# Altium PCB Gateway_V2.0_Final_PCB.PcbDoc
Units mm, origin at the board's own origin, x right, y up, seen from the top; angles counter-clockwise.
Board outline 99.82 x 98.3 mm, 2 copper layers (Top Layer, Bottom Layer); 73 components, 101 nets, 327 pads, 45 vias.
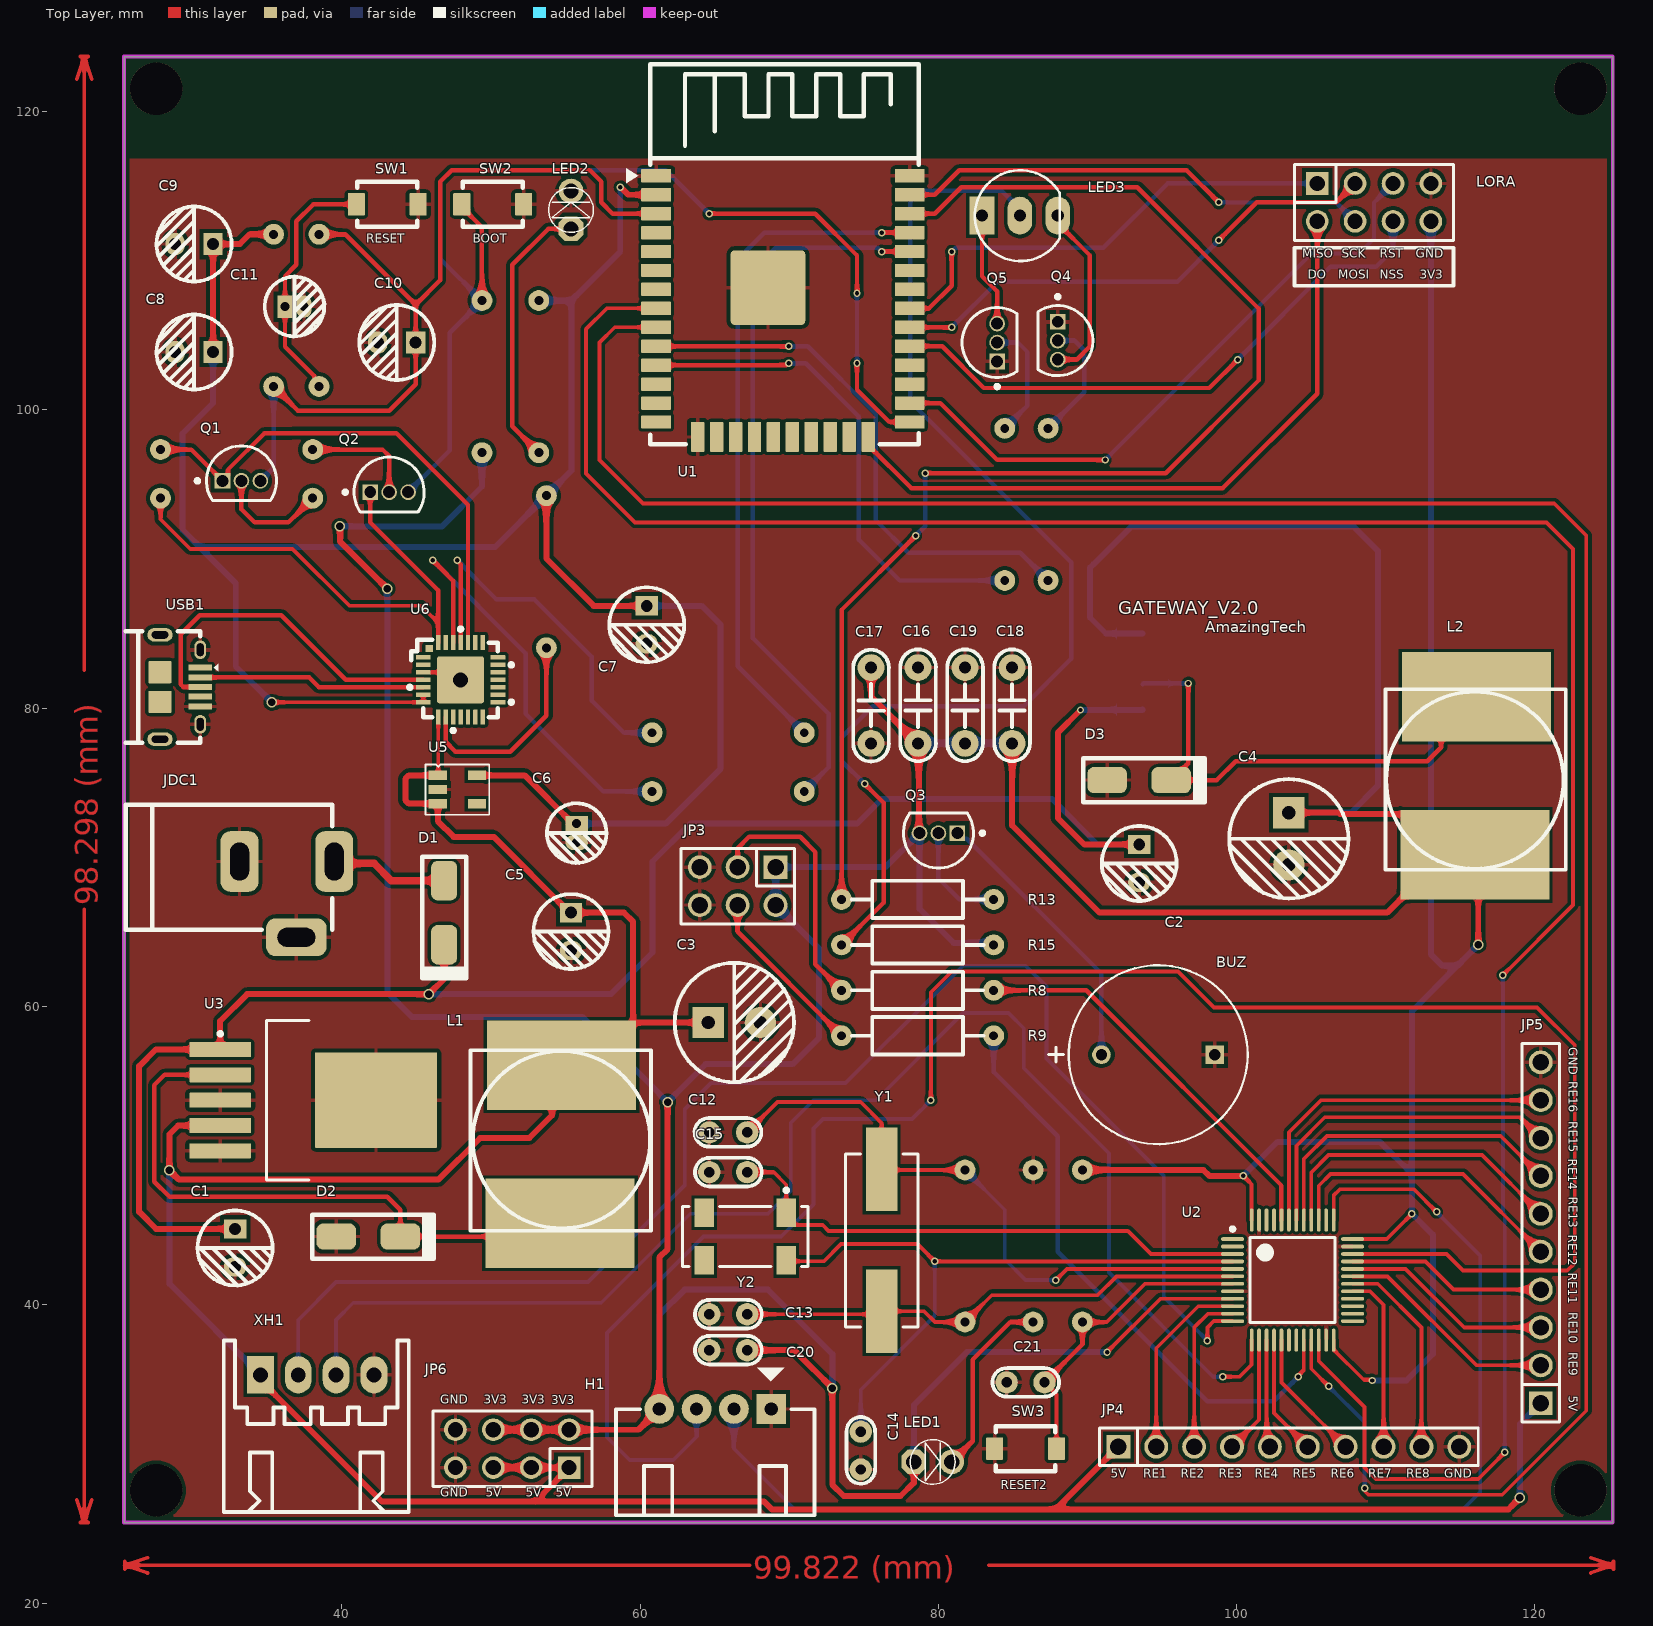
[diagram p0: Top Layer view]
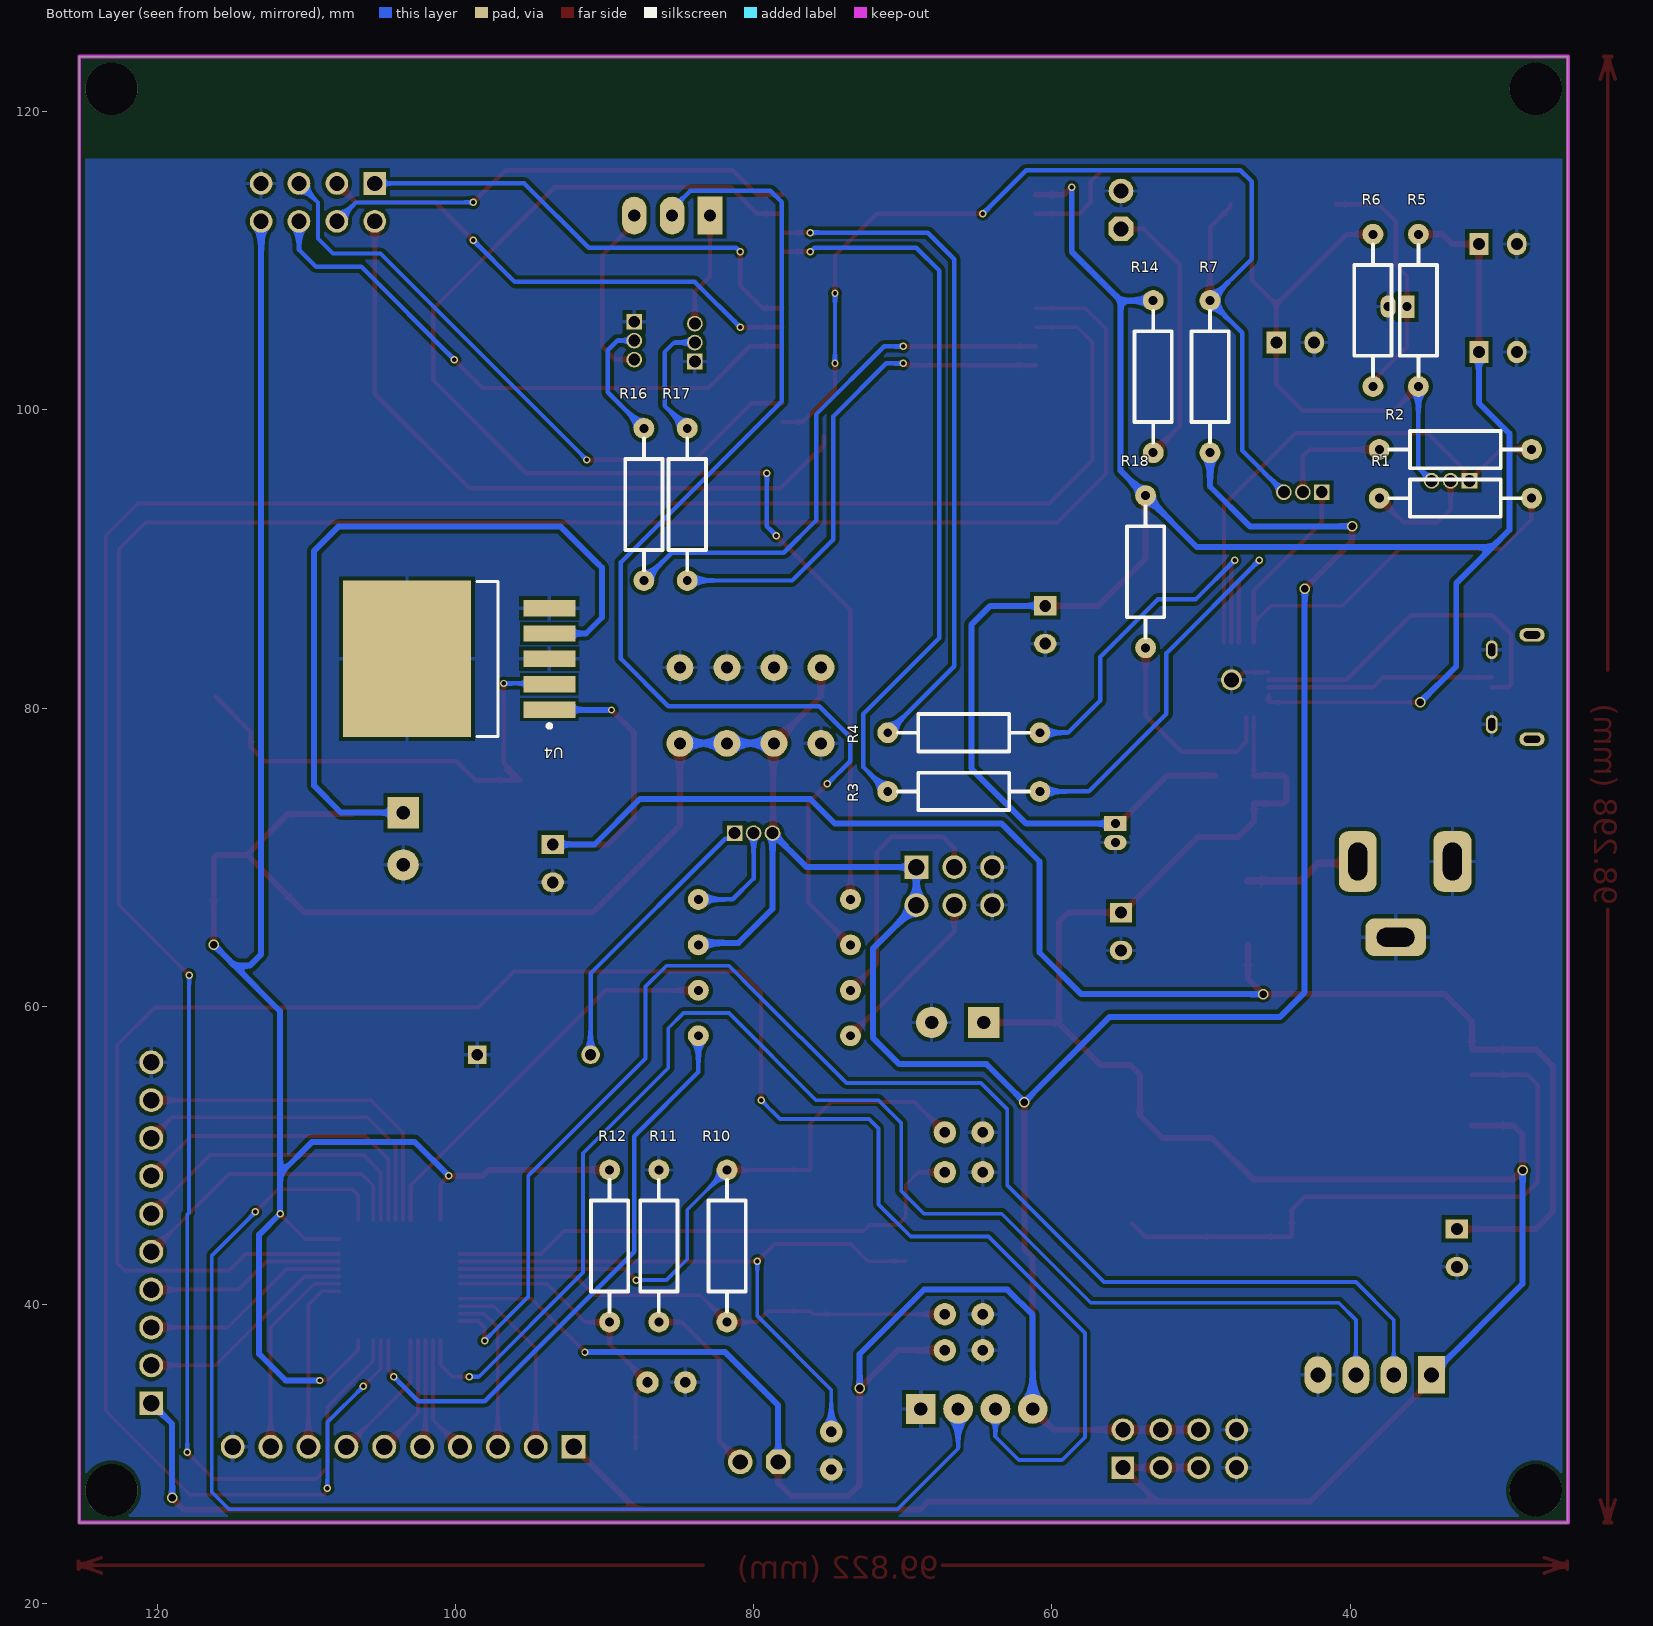
[diagram p1: Bottom Layer view, seen from below]
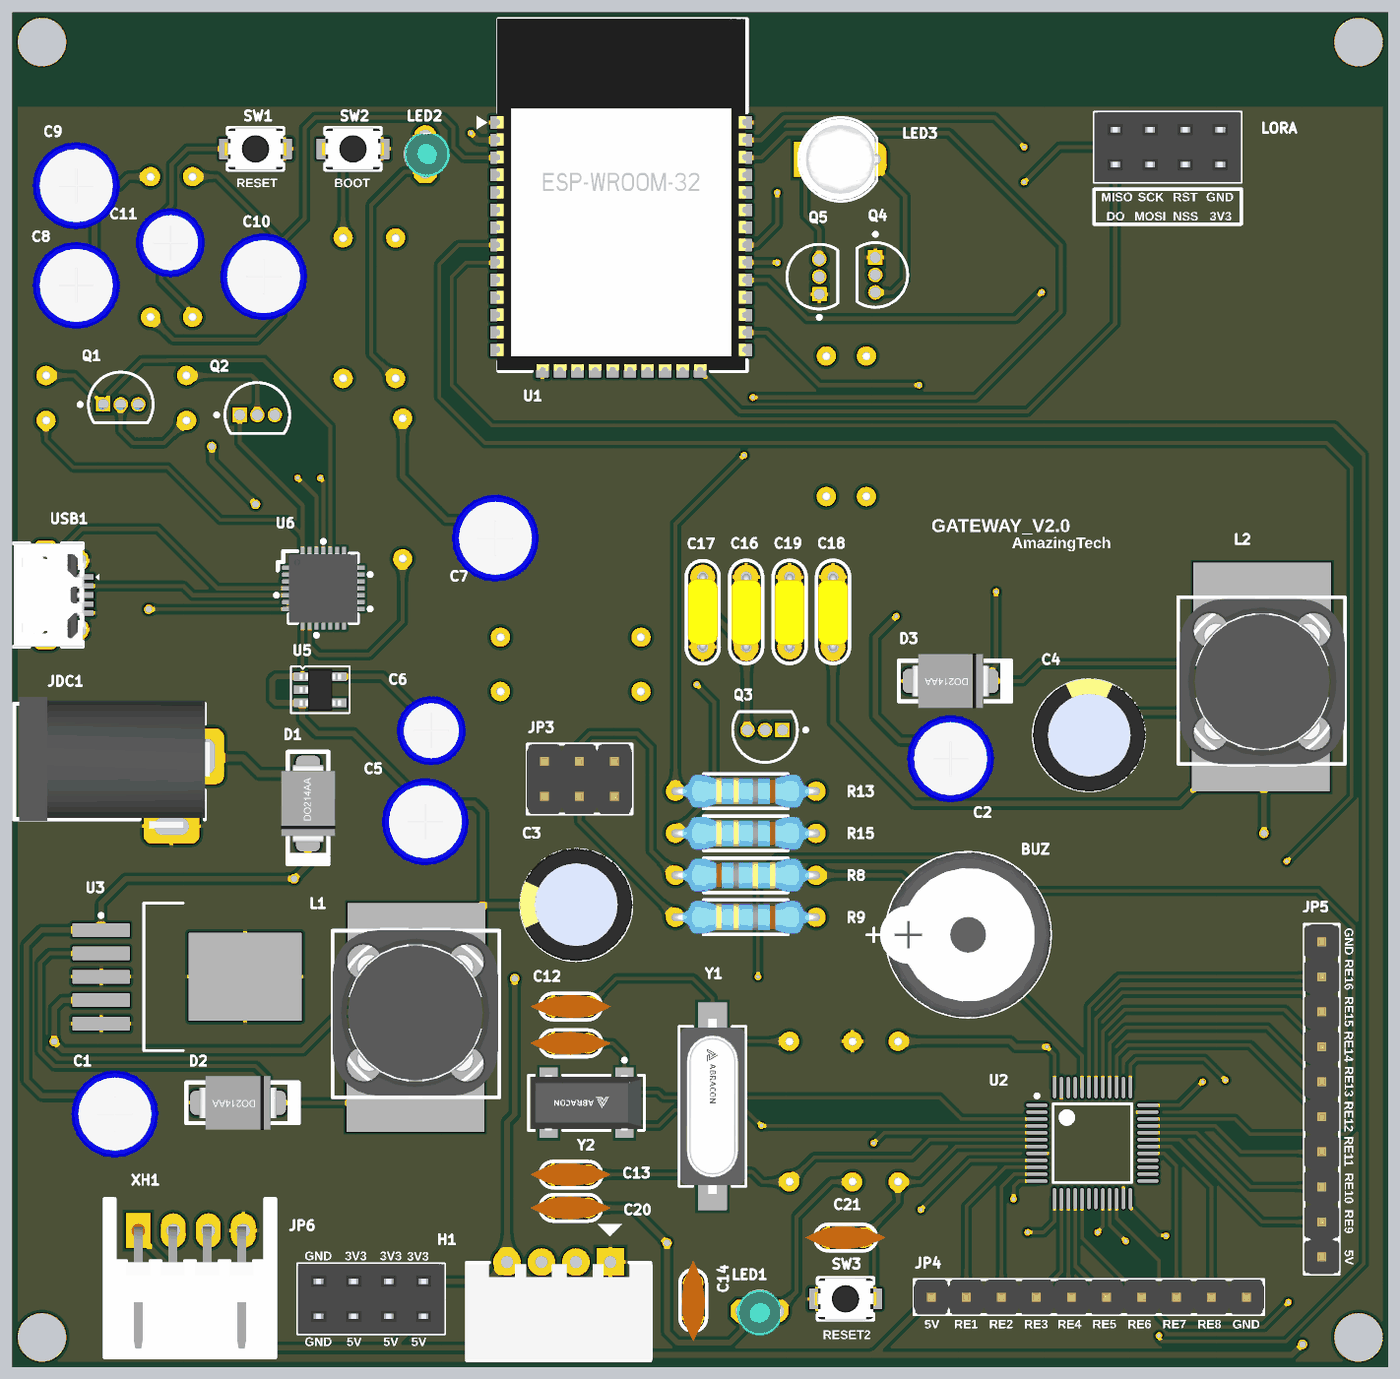
[diagram p2: 3D render of the assembled board from above, using the file's embedded part models]
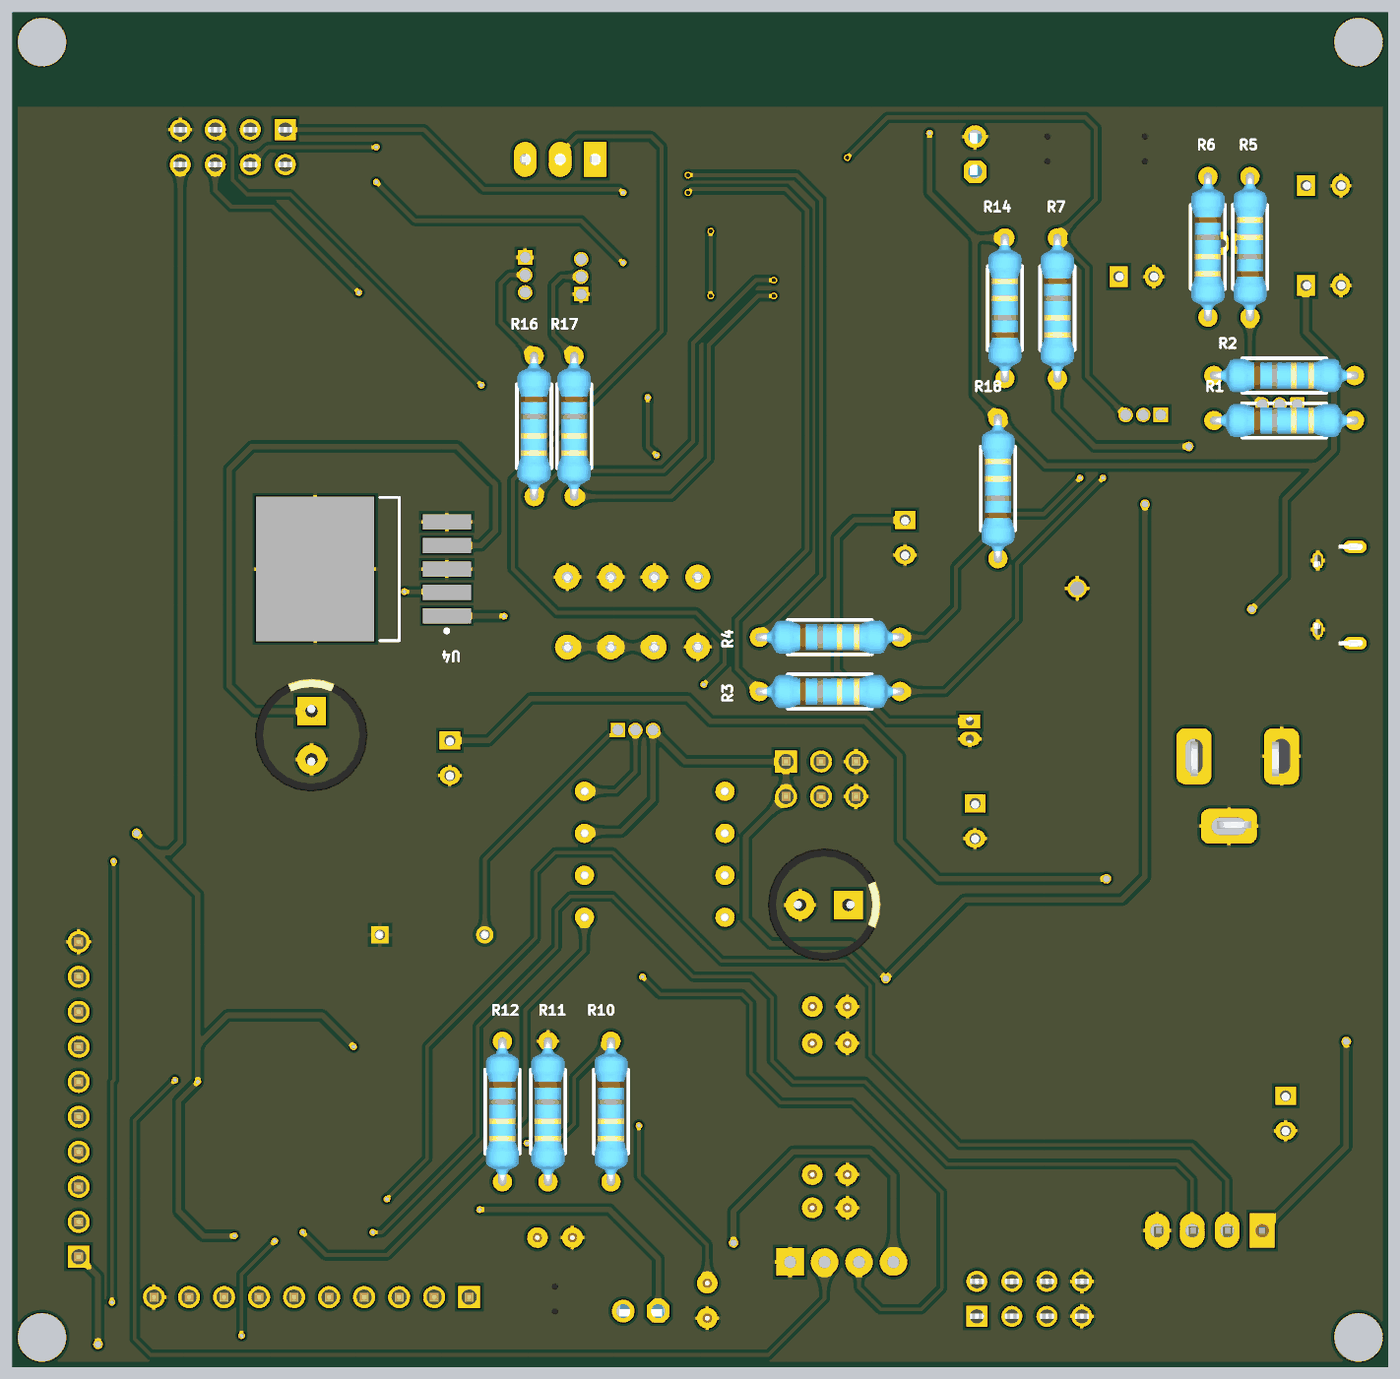
[diagram p3: 3D render of the assembled board from below, using the file's embedded part models]

## Layer stack, top to bottom
Top Solder: solder mask 0.0102, Solder Resist, Dk 3.5
Top Layer: signal copper 0.0356
Dielectric 1: dielectric 0.32, FR-4, Dk 4.8
Bottom Layer: signal copper 0.0356
Bottom Solder: solder mask 0.0102, Solder Resist, Dk 3.5

## Board outline
25.4,25.4 25.4,123.698 125.222,123.698 125.222,25.4

## Design rules (kind name [scope] priority, off if disabled: settings)
Clearance Clearance_1 [All] p1: gap=0.254 ignorepadtopadclearanceinfootprint=TRUE except(0.2: Arc-Arc Arc-Track Arc-SMDPad Arc-Hole Track-Track Track-SMDPad SMDPad-SMDPad SMDPad-THPad SMDPad-Via SMDPad-Fill SMDPad-Poly SMDPad-Region SMDPad-Text SMDPad-Hole Via-Via Via-Fill Via-Poly Via-Region Via-Text Via-Hole Region-Region Region-Text Region-Hole)
Clearance [All] p2: gap=0.254 ignorepadtopadclearanceinfootprint=FALSE except(0.2: Arc-Arc Arc-Track Arc-SMDPad Track-Track Track-SMDPad SMDPad-SMDPad SMDPad-THPad SMDPad-Via SMDPad-Fill SMDPad-Poly SMDPad-Region SMDPad-Text SMDPad-Hole)
PolygonConnect [All] p1: connectstyle=Relief reliefconductorwidth=0.254 reliefentries=4 polygonreliefangle="90 Angle" airgapwidth=0.254
RoutingVias [All] p1: holewidth=0.711 width=1.27 viastyle="Through Hole" minholewidth=0.711 minwidth=1.27 maxholewidth=0.711 maxwidth=1.27
SolderMaskExpansion [All] p1: expansion=0.102 istentingtop=FALSE
SupplyNets "Schematic Supply Nets_5" [InNet('5V')] p1: voltage=0.000
SupplyNets "Schematic Supply Nets_4" [InNet('VIN')] p2: voltage=0.000
SupplyNets "Schematic Supply Nets_3" [InNet('3V3')] p3: voltage=0.000
SupplyNets "Schematic Supply Nets_2" [InNet('3.3V_ESP')] p4: voltage=0.000
SupplyNets "Schematic Supply Nets_1" [InNet('VCCUSB')] p5: voltage=0.000
SupplyNets "Schematic Supply Nets" [InNet('GND')] p6: voltage=0.000
Width STM [InNetClass('STM')] p1: maxlimit=0.254 minlimit=0.254 preferedwidth=0.254
Width POWER [InNetClass('POWER')] p2: maxlimit=0.4 minlimit=0.254 preferedwidth=0.4 minimp=50.000000 maximp=50.000000 favimp=50.000000
Width SIGNAL [InNetClass('SIGNAL')] p3: maxlimit=0.4 minlimit=0.3 preferedwidth=0.3 minimp=50.000000 maximp=50.000000 favimp=50.000000
30 further rules are at their usual default settings.

## Components (designator, comment, footprint, x,y, rotation, side; value= is the part's Value field where it differs from the comment)
BUZ "Buzzer 12095" FP-MCKPX-G1203A-K4056-MFG 94.742,56.769 r180 top
C1 "100uF" "tu hoa 5mm" 32.849,43.815 r270 top
C2 "100uF" "tu hoa 5mm" 93.472,69.596 r270 top
C3 "1000uF" "tu hoa 8mm" 66.322,58.928 r0 top
C4 "1000uF" "tu hoa 8mm" 103.505,71.247 r270 top
C5 "0.1uF" "tu hoa 5mm" 55.372,65.024 r270 top
C6 "10uF" "tu hoa 4mm" 55.753,71.628 r270 top
C7 "0.1uF" "tu hoa 5mm" 60.452,85.598 r270 top
C8 "22uF" "tu hoa 5mm" 30.099,103.886 r180 top
C9 "0.1uF" "tu hoa 5mm" 30.099,111.125 r180 top
C10 "4.7uF" "tu hoa 5mm" 43.688,104.521 r180 top
C11 "10uF" "tu hoa 4mm" 36.83,106.934 r0 top
C12 "20pF" "tu gom" 65.91,51.562 r0 top
C13 "20pF" "tu gom" 65.913,39.37 r180 top
C14 "20pF" "tu gom" 74.803,30.226 r270 top
C15 "20pF" "tu gom" 65.913,48.895 r180 top
C16 "100nF" "tu tantalum dip5.08" 78.642,80.187 r90 top
C17 "100nF" "tu tantalum dip5.08" 75.49,80.187 r270 top
C18 "100nF" "tu tantalum dip5.08" 84.946,80.187 r90 top
C19 "100nF" "tu tantalum dip5.08" 81.794,80.187 r90 top
C20 "20pF" "tu gom" 65.913,36.957 r180 top
C21 "20pF" "tu gom" 85.852,34.798 r180 top
D1 "SS34" SS14 46.863,66.294 r270 top
D2 "SS34" SS14 41.783,44.577 r0 top
D3 "SS34" SS14 93.472,75.184 r0 top
H1 "SWD" "Header 4P DC 2.54" 68.769,32.995 r270 top
JDC1 "Jac DC 12V" DC-IN 36.322,67.183 r0 top value="Jac DC"
JP3 "JP 2x3 2.54" "JP 2x3 DT" 66.548,68.072 r180 top
JP4 "JP 1x10 2.54" "JP 1x10 DT" 92.075,30.48 r0 top
JP5 "JP 1x10 2.54" "JP 1x10 DT" 120.396,33.401 r90 top
JP6 "JP 2x4 2.54" "JP 2x4 CT" 51.435,30.353 r180 top
L1 "100uH - 3A SMD" "Cuon Cam 12x12x10" 60.737,57.069 r180 top
L2 "100uH - 3A SMD" "Cuon Cam 12x12x10" 109.978,69.172 r0 top
LED1 "LED 3mm" LED-3MM-GREEN 78.359,29.464 r0 top
LED2 "LED 3mm" LED-3MM-GREEN 55.372,112.141 r90 top
LED3 "LED 5mm" "LED-5MM 2 MAU" 82.931,113.03 r0 top
LORA "JP 2x4 2.54" "JP 2x4 CT" 109.22,113.919 r0 top
Q1 "2N3904" ONSC-TO-92-3-29-11 33.274,95.25 r0 top
Q2 "2N3904" ONSC-TO-92-3-29-11 43.18,94.488 r0 top
Q3 "2N3904" ONSC-TO-92-3-29-11 80.01,71.628 r180 top
Q4 "2N3904" ONSC-TO-92-3-29-11 88.011,104.648 r270 top
Q5 "2N3904" ONSC-TO-92-3-29-11 83.947,104.521 r90 top
R1 "10k" "tro vach 1/4w" 32.953,94.087 r0 bottom
R2 "10k" "tro vach 1/4w" 32.953,97.349 r0 bottom
R3 "1k" "tro vach 1/4w" 65.913,74.422 r0 bottom
R4 "1k" "tro vach 1/4w" 65.913,78.359 r0 bottom
R5 "10k" "tro vach 1/4w" 35.433,106.68 r270 bottom
R6 "0R" "tro vach 1/4w" 38.481,106.68 r90 bottom
R7 "10k" "tro vach 1/4w" 49.403,102.235 r90 bottom
R8 "100k" "tro vach 1/4w" 78.613,61.087 r180 top
R9 "100k" "tro vach 1/4w" 78.613,58.039 r0 top
R10 "1M" "tro vach 1/4w" 81.788,43.942 r90 bottom
R11 "1M" "tro vach 1/4w" 86.36,43.942 r90 bottom
R12 "10k" "tro vach 1/4w" 89.662,43.942 r90 bottom
R13 "220R" "tro vach 1/4w" 78.613,67.183 r0 top
R14 "1k" "tro vach 1/4w" 53.213,102.235 r270 bottom
R15 "220R" "tro vach 1/4w" 78.613,64.135 r0 top
R16 "220R" "tro vach 1/4w" 87.363,93.666 r90 bottom
R17 "220R" "tro vach 1/4w" 84.455,93.666 r90 bottom
R18 "4.7k" "tro vach 1/4w" 53.721,89.154 r270 bottom
SW1 "RST" "Button 3x4mm" 43.053,113.792 r180 top
SW2 "FLASH" "Button 3x4mm" 50.122,113.792 r0 top
SW3 "FLASH" "Button 3x4mm" 85.852,30.353 r0 top
U1 "ESP-WROOM-32" "ESP32 WROOM" 61.08,115.704 r0 top
U2 "STM32F103C8T6" STM-LQFP48_L 103.759,41.656 r0 top
U3 "LM2576S-5.0" KTT0005B_N 38.1,53.721 r0 top
U4 "LM2576S-3.3" TS5B_M 99.751,83.312 r0 bottom
U5 "RT9193-33GB" SOT23-5 47.752,74.549 r270 top
U6 "CP2102-QFN28" CP2102-QFN28 47.966,81.907 r270 top
USB1 "USB_Micro" "USB_MICRO_B - Digikey" 30.513,82.723 r270 top
XH1 "XH4" XH4/2.54mm/90 34.544,35.306 r0 top
Y1 "ABLS2-8.000MHZ-D4Y-T" FP-ABLS2-MFG 76.2,44.323 r270 top
Y2 "ABS25-32.768KHZ-T" FP-ABS25-MFG 67.056,44.577 r180 top

## Footprints (in the part's own frame and the unit in brackets; to place one, negate y for a bottom-side part, rotate by r counter-clockwise, add the part's x,y. Pads: shape width x height; smd on the part's side, far side on the other; paste and mask are expansions set on the pad)
"Button 3x4mm" [mm] "SMD 3x4mm"
  rrect10% 1.143x1.5 smd: 1(-2.075,0) 2(2.075,0)
  silkscreen extent -2,-1.5 2,1.5, body extent -2.25,-1.55 2.25,1.55, height 2.05
CP2102-QFN28 [mm] "QFN28 5x5 pitch 0.5"
  rrect10% 0.3x1 smd mask+0.05: 1(-1.5,-2.5) 2(-1,-2.5) 3(-0.5,-2.5) 4(0,-2.5) 5(0.5,-2.5) 6(1,-2.5) 7(1.5,-2.5) 15(1.5,2.5) 16(1,2.5) 17(0.5,2.5) 18(0,2.5) 19(-0.5,2.5) 20(-1,2.5) 21(-1.5,2.5)
  rrect10% 1x0.3 smd mask+0.05: 8(2.5,-1.5) 9(2.5,-1) 10(2.5,-0.5) 11(2.5,0) 12(2.5,0.5) 13(2.5,1) 14(2.5,1.5) 22(-2.5,1.5) 23(-2.5,1) 24(-2.5,0.5) 25(-2.5,0) 26(-2.5,-0.5) 27(-2.5,-1) 28(-2.5,-1.5)
  rrect10% 3.15x3.15 smd mask+0.05: 29(0,0)
  round 1.4 hole 1 mask+0.2: 29(0,0)
  rrect10% 0.5x0.5 smd mask+0.05: ""(-2.1,-2.1)
  silkscreen extent -3.5,-3.5 3.5,3.5, body extent -2.5,-2.5 2.5,2.5, height 1
"Cuon Cam 12x12x10" [mm] "Cuon Cam 12x12x10"
  rect 10x6 smd: 1(6.1,11.6) 2(6,1)
  silkscreen extent 0,0 12.1,12.1, body extent 0.1,-0.2 12.1,12.14, height 7.51
DC-IN [mil] "Jac DC input"
  rrect50% 100x160 hole 50 slot 100 at 90 deg: 1(125,100) 2(-125,100)
  rrect50% 160x100 hole 50 slot 100 at 0 deg: 3(25,-100)
  silkscreen extent -425,-80 120,250, body extent -410,-105 134,269, height 434
"ESP32 WROOM" [mm] "ESP32 WROOM"
  rrect10% 2x0.9 smd: 1(0,0) 2(0,-1.27) 3(0,-2.54) 4(0,-3.81) 5(0,-5.08) 6(0,-6.35) 7(0,-7.62) 8(0,-8.89) 9(0,-10.16) 10(0,-11.43) 11(0,-12.7) 12(0,-13.97) 13(0,-15.24) 14(0,-16.51) 25(17,-16.51) 26(17,-15.24) 27(17,-13.97) 28(17,-12.7) 29(17,-11.43) 30(17,-10.16) 31(17,-8.89) 32(17,-7.62) 33(17,-6.35) 34(17,-5.08) 35(17,-3.81) 36(17,-2.54) 37(17,-1.27) 38(17,0)
  rrect10% 0.9x2 smd: 15(2.785,-17.51) 16(4.055,-17.51) 17(5.325,-17.51) 18(6.595,-17.51) 19(7.865,-17.51) 20(9.135,-17.51) 21(10.405,-17.51) 22(11.675,-17.51) 23(12.945,-17.51) 24(14.215,-17.51)
  rrect10% 5x5 smd: 39(7.5,-7.5)
  silkscreen extent -2,-18.02 17.6,7.49, body extent -0.54,-18.02 17.54,7.52, height 3
FP-ABLS2-MFG [mm]
  rect 5.6x2.1 smd paste+0 mask+0: 1(-4.75,0) 2(4.75,0)
  silkscreen extent -5.8,-2.42 5.8,2.42, body extent -7.65,-2.52 7.65,2.52, height 0.25
FP-ABS25-MFG [mm]
  rect 1.3x1.9 smd paste+0 mask+0: 1(-2.75,-1.6) 2(2.75,-1.6) 3(2.75,1.6) 4(-2.75,1.6)
  silkscreen extent -4.2,-3.22 4.2,2, body extent -4.3,-2.65 4.3,2.65, height 0.25
FP-MCKPX-G1203A-K4056-MFG [mm]
  rect 1.25x1.25 hole 0.75 paste-2539.97 mask+0: 1(-3.8,0)
  round 1.25 hole 0.75 paste-2539.97 mask+0: 2(3.8,0)
  silkscreen extent -6,-6 7.35,6, body extent -6.1,-6.1 6.1,6.1, height 0.25
"Header 4P DC 2.54" [mil]
  rect 78.74x78.74 hole 35: 1(-1,1)
  round 78.74 hole 35: 2(-1,-97.43) 3(-1,-195.85) 4(-1,-294.28)
  silkscreen extent -110,-409 280,115, body extent 5,-413 278,123, height 290
"JP 1x10 DT" [mm] "10 pins, 1 row, straight, gold plating"
  rect 1.6x1.6 hole 1.1: 1(0,0)
  round 1.6 hole 1.1: 2(2.54,0) 3(5.08,0) 4(7.62,0) 5(10.16,0) 6(12.7,0) 7(15.24,0) 8(17.78,0) 9(20.32,0) 10(22.86,0)
  silkscreen extent -1.27,-1.27 24.13,1.27, body extent -1.27,-1.27 24.13,1.27, height 8.54
"JP 2x3 DT" [mm]
  rect 1.6x1.6 hole 1.1: 1(-2.54,-1.27)
  round 1.6 hole 1.1: 2(0,-1.27) 3(2.54,-1.27) 4(2.54,1.27) 5(0,1.27) 6(-2.54,1.27)